# Altium PCB МПСУ.687254.22-01.PcbDoc (part 1 of 2)
Units mm, origin at the board's own origin, x right, y up, seen from the top; angles counter-clockwise.
Board outline 131 x 56 mm, 2 copper layers (Top Layer, Bottom Layer), stack 1.036 mm thick; 215 components, 148 nets, 684 pads, 399 vias.
Unrouted connection lines stored in the file: 4.
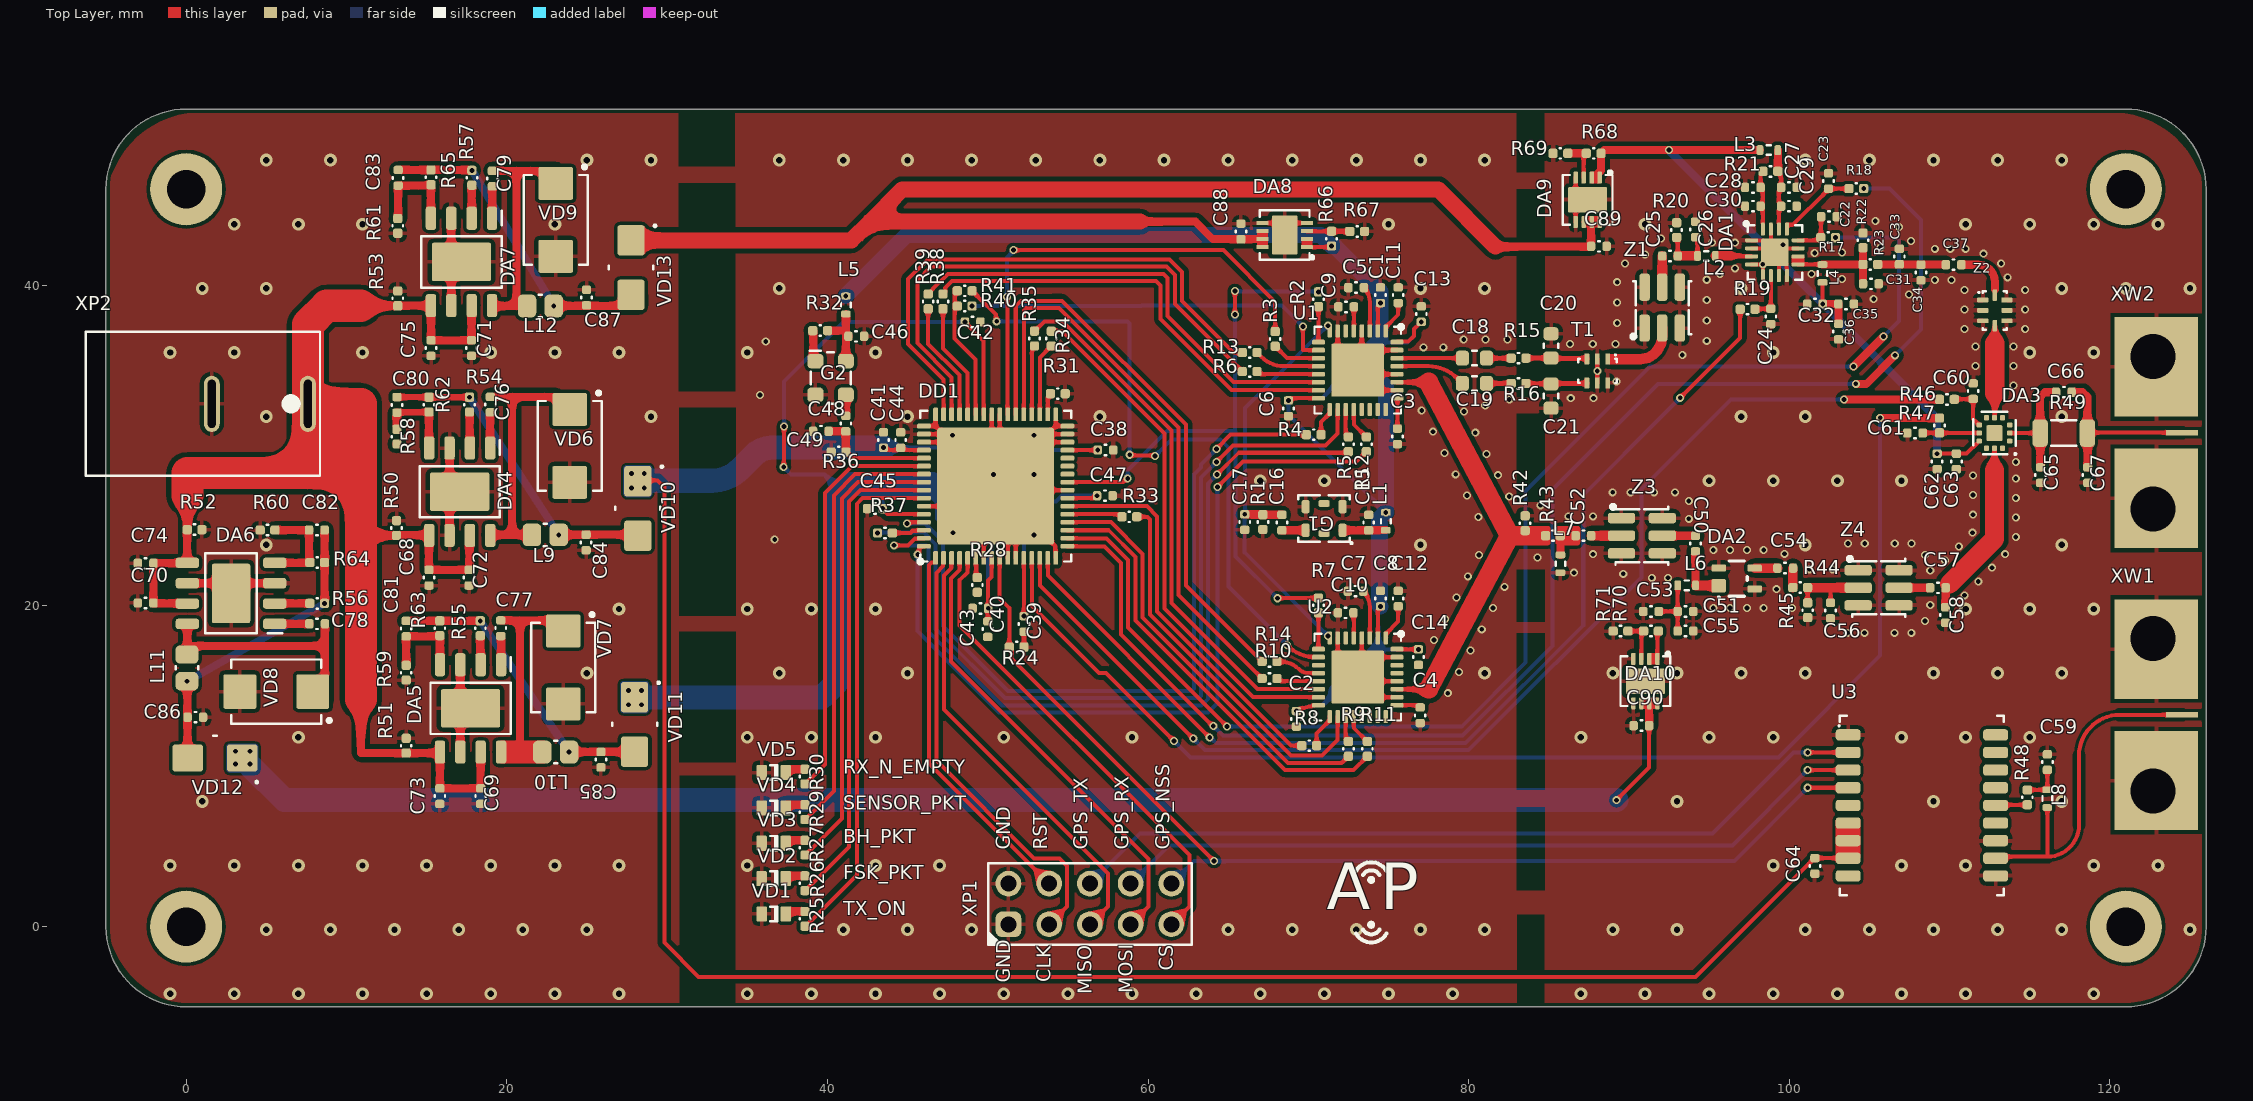
[diagram p0: Top Layer view]
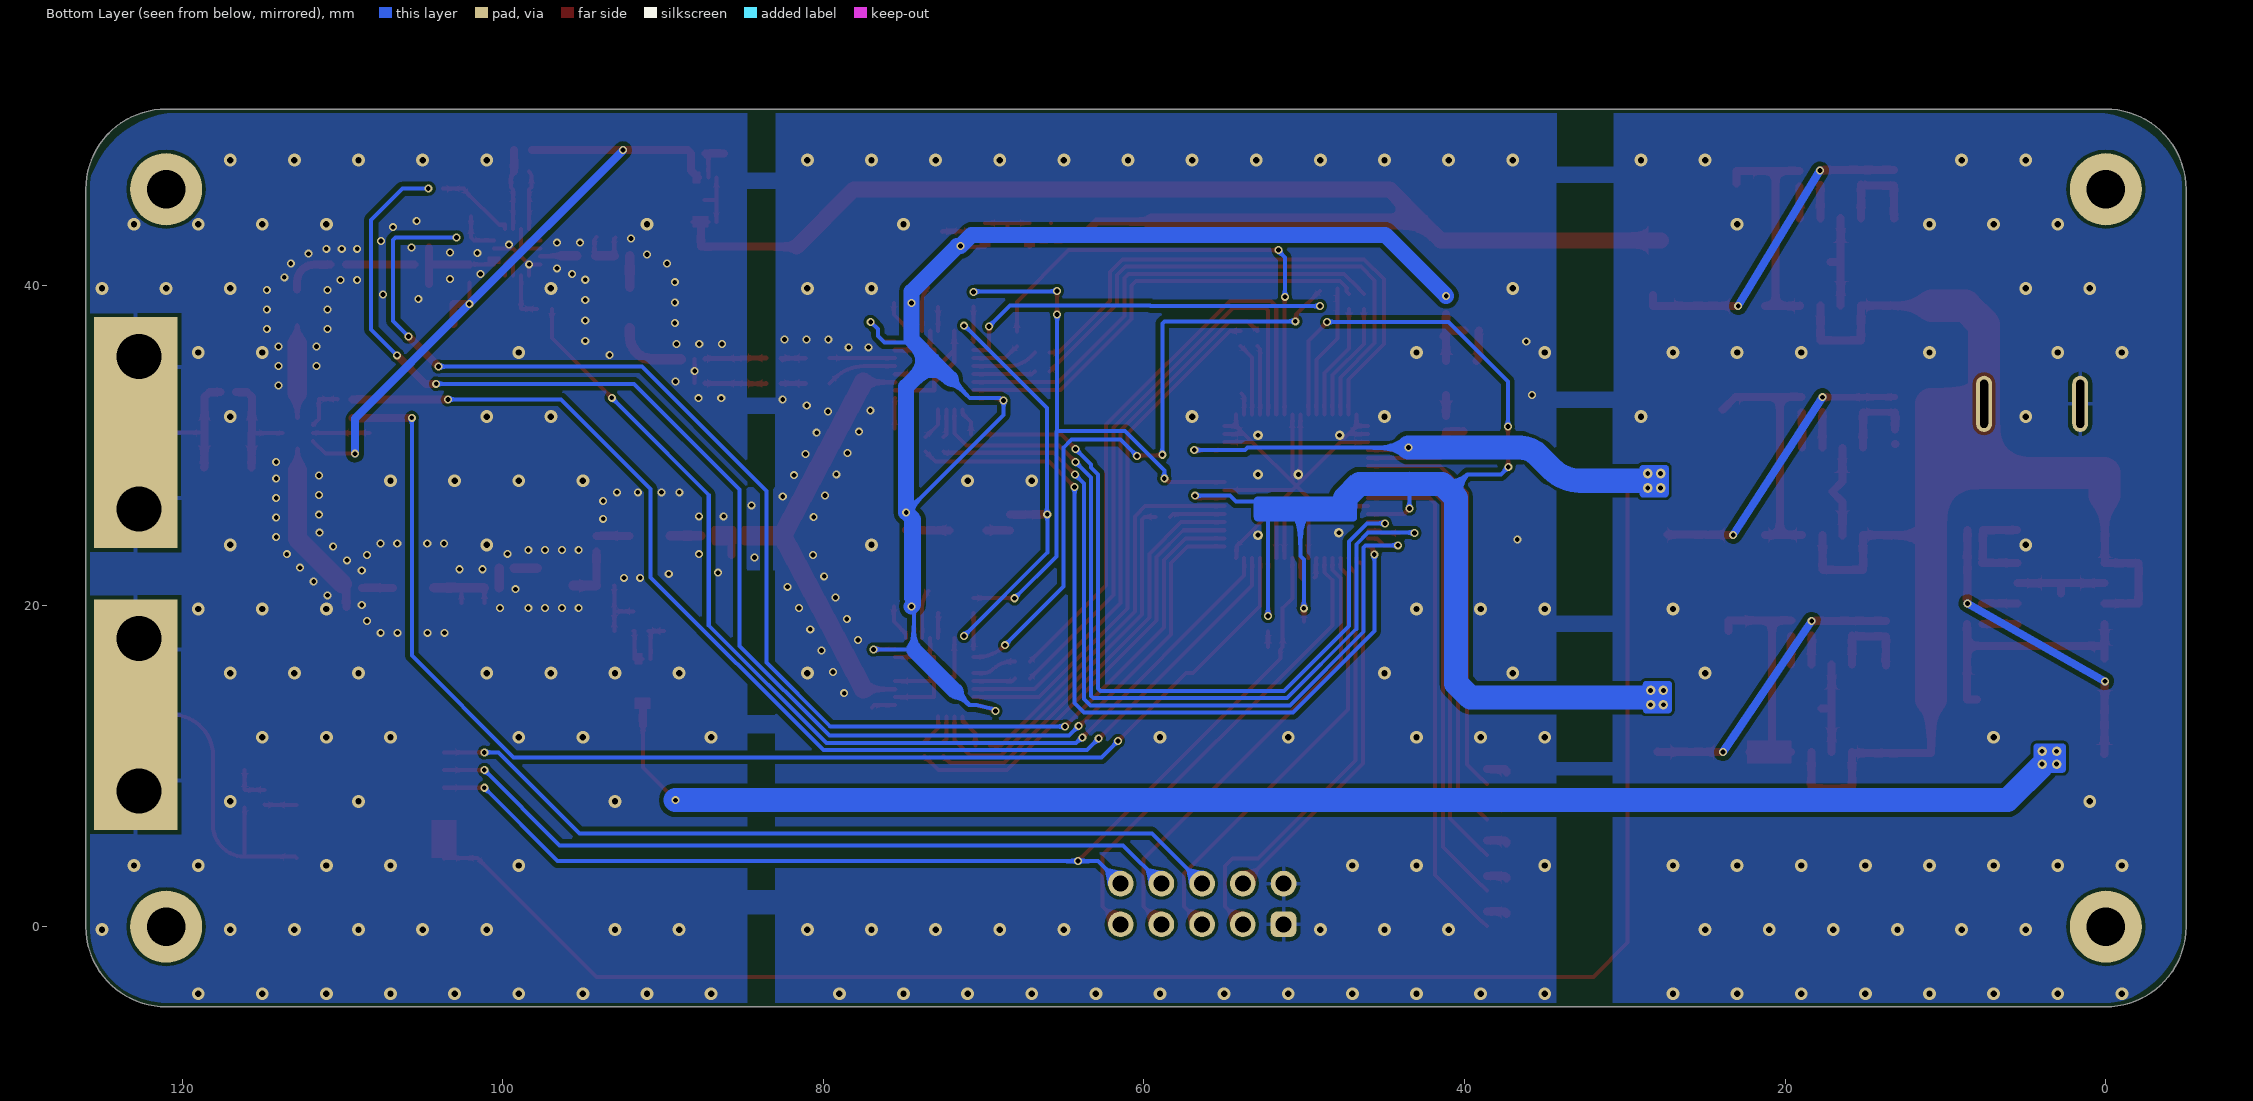
[diagram p1: Bottom Layer view, seen from below]
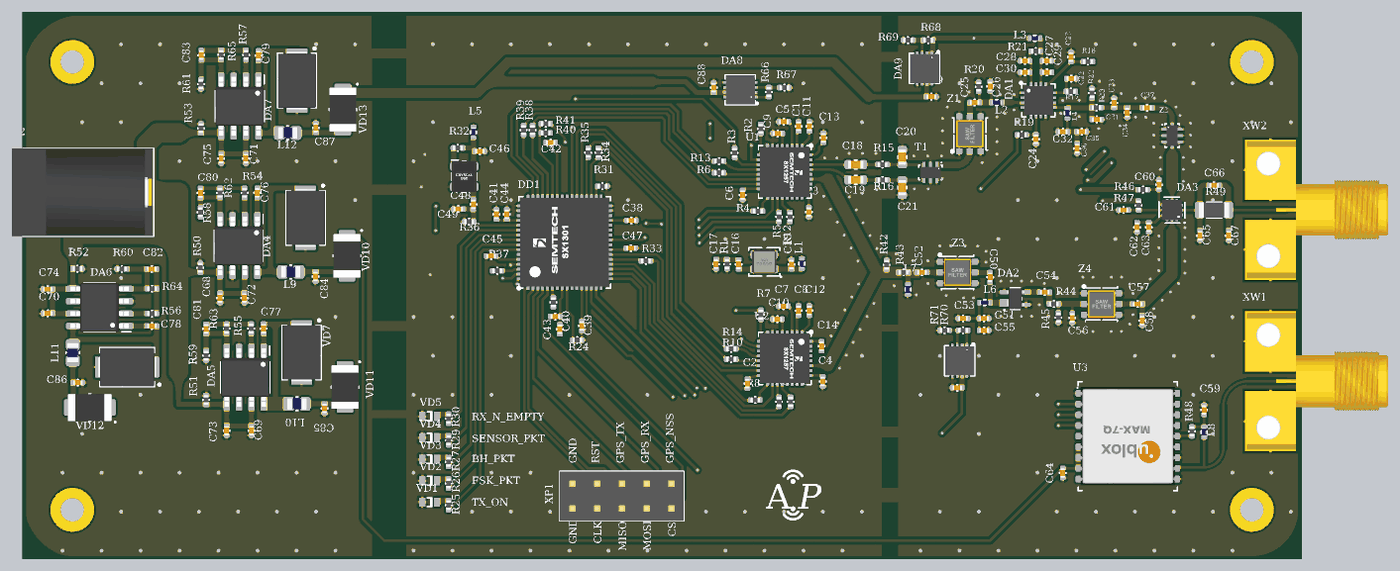
[diagram p3: 3D render of the assembled board from above, using the file's embedded part models]

## Layer stack, top to bottom
Top Solder: solder mask 0.0102, Solder Resist, Dk 3.5
Top Layer: signal copper 0.018
FR4-diel: core 1, FR4, Dk 4.6
Bottom Layer: signal copper 0.018
Bottom Solder: solder mask 0.0102, Solder Resist, Dk 3.5

## Board outline
-5,0 -5,46 cw(c0,46) 0,51 121,51 cw(c121,46) 126,46 126,0 cw(c121,0) 121,-5 0,-5 cw(c0,0)

## Design rules (kind name [scope] priority, off if disabled: settings)
BoardOutlineClearance SolderMask [OnSolderMask] p1: gap=0 ignorepadtopadclearanceinfootprint=FALSE except(0.25: Arc-CavityEdge Arc-SplitContinuation Track-CavityEdge Track-SplitContinuation SMDPad-CavityEdge SMDPad-SplitContinuation THPad-CavityEdge THPad-SplitContinuation Via-CavityEdge Via-SplitContinuation Fill-CavityEdge Fill-SplitContinuation Poly-CavityEdge Poly-SplitContinuation Region-CavityEdge Region-SplitContinuation Text-CavityEdge Text-SplitContinuation)
BoardOutlineClearance [All] p2: gap=0.25 ignorepadtopadclearanceinfootprint=FALSE
Clearance [All] p1: gap=0.2 ignorepadtopadclearanceinfootprint=FALSE except(0.3: Track-Poly)
Clearance Clearance_RF [InNet('GND') vs InNetClass('RF')] p2: gap=0.3 ignorepadtopadclearanceinfootprint=FALSE
ComponentClearance [All] p1 off: gap=0.25 collisioncheckmode=3 verticalgap=0.25 showdistances=FALSE
DiffPairsRouting [All] p1: maxlimit=0.25 minlimit=0.25 mostfreqgap=0.25 toplayer_minwidth=0.2 toplayer_maxwidth=1 toplayer_prefwidth=0.4 bottomlayer_minwidth=0.2 bottomlayer_maxwidth=1 bottomlayer_prefwidth=0.4 maxuncoupledlength=10
HoleSize [All] p1: absolutevalues=TRUE maxlimit=8 minlimit=0.3 maxpercent=80.000 minpercent=20.000
HoleToHoleClearance [All] p1: gap=0.3 allowstackedmicrovias=TRUE
MinimumSolderMaskSliver [All] p1: minsoldermaskwidth=0.15
PlaneClearance [All] p1: clearance=0.3
PlaneConnect [All] p1: planeconnectstyle=Relief reliefexpansion=0.5 reliefentries=4 reliefconductorwidth=0.25 reliefairgap=0.3
PolygonConnect [All] p1: thpad.connectstyle=Relief thpad.reliefconductorwidth=0.25 thpad.reliefentries=4 thpad.polygonreliefangle="90 Angle" thpad.airgapwidth=0.25 smdpad.connectstyle=Relief smdpad.reliefconductorwidth=0.25 smdpad.reliefentries=4 smdpad.polygonreliefangle="90 Angle" smdpad.airgapwidth=0.25 via.connectstyle=Direct via.reliefconductorwidth=0.25 via.reliefentries=4 via.polygonreliefangle="90 Angle" via.airgapwidth=0.25
ReturnPath [All] p1: impedanceprofileid={2CF304FD-49DA-4276-8468-CD12DB598121} _gaplimit=0.5
RoutingCorners [All] p1: cornerstyle=Round minsetback=2.5 maxsetback=2.5
RoutingVias [All] p1: holewidth=0.3 width=0.5 viastyle="Through Hole" minholewidth=0.3 minwidth=0.5 maxholewidth=1 maxwidth=1.5
SilkToSilkClearance [All] p1: silktosilkclearance=0.05
SilkToSolderMaskClearance [IsPad] p1: minsilkscreentomaskgap=0.05 clearancetoexposedcopper=TRUE
SolderMaskExpansion [All] p1: expansion=0.05 istentingtop=FALSE
UnRoutedNet [All] p1: checkbadconnections=TRUE
Width [All] p1: maxlimit=3 minlimit=0.25 preferedwidth=0.3 minimp=50.000000 maximp=50.000000 favimp=50.000000
19 further rules are at their usual default settings.

## Classes and differential pairs
net class RF: BPF_IN_2 NetC18_1 NetC19_1 NetC25_1 NetC31_1 NetC52_1 NetC56_2 NetC66_1 RF_IN RF_OUT RFSW_OUT
component class "МПСУ.464421.22-01 Switch,GPS, IO Connectors": C59 C60 C61 C62 C63 C64 C65 C66 C67 DA3 L8 R46 R47 R48 R49 U3 XP1 XW1 XW2
component class "МПСУ.464421.22-01 RF Interface": C1 C2 C3 C4 C5 C6 C7 C8 C9 C10 C11 C12 C13 C14 C15 C16 C17 C18 C19 C20 C21 G1 L1 R1 R2 R3 R4 R5 R6 R7 R8 R9 R10 R11 R12 R13 R14 R15 R16 T1 U1 U2
component class "МПСУ.464421.22-01 RF_OUT": C22 C23 C24 C25 C26 C27 C28 C29 C30 C31 C32 C33 C34 C35 C36 C37 DA1 L2 L3 L4 R17 R18 R19 R20 R21 R22 R23 Z1 Z2
component class "МПСУ.464421.22-01 RF_IN": C50 C51 C52 C53 C54 C55 C56 C57 C58 DA2 L6 L7 R42 R43 R44 R45 Z3 Z4
component class "МПСУ.464421.22-01 Power": C68 C69 C70 C71 C72 C73 C74 C75 C76 C77 C78 C79 C80 C81 C82 C83 C84 C85 C86 C87 C88 C89 C90 DA4 DA5 DA6 DA7 DA8 DA9 DA10 L9 L10 L11 L12 L14 L15 L16 L17 L18 L? R50 R51 R52 R53 R54 R55 R56 R57 R58 R59 R60 R61 R62 R63 R64 R65 R66 R67 R68 R69 R70 R71 VD6 VD7 VD8 VD9 VD10 VD11 VD12 VD13 XP2
component class "МПСУ.464421.22-01 BBP": C38 C39 C40 C41 C42 C43 C44 C45 C46 C47 C48 C49 DD1 G2 L5 R24 R25 R26 R27 R28 R29 R30 R31 R32 R33 R34 R35 R36 R37 R38 R39 R40 R41 VD1 VD2 VD3 VD4 VD5

## Components (designator, comment, footprint, x,y, rotation, side; value= is the part's Value field where it differs from the comment)
C1 "1 мкФ ± 10 % 16 В X5R 0402 GRM155R61C105KA12D" CAPC100X50X55L20N 74.5,39.384 r270 top value="1 мкФ"
C2 "1 мкФ ± 10 % 16 В X5R 0402 GRM155R61C105KA12D" CAPC100X50X55L20N 69.257,12.962 r90 top value="1 мкФ"
C3 "1 мкФ ± 10 % 16 В X5R 0402 GRM155R61C105KA12D" CAPC100X50X55L20N 75.56,30.584 r270 top value="1 мкФ"
C4 "1 мкФ ± 10 % 16 В X5R 0402 GRM155R61C105KA12D" CAPC100X50X55L20N 76.982,13.184 r270 top value="1 мкФ"
C5 "1 мкФ ± 10 % 16 В X5R 0402 GRM155R61C105KA12D" CAPC100X50X55L20N 72.985,39.859 r180 top value="1 мкФ"
C6 "1 мкФ ± 10 % 16 В X5R 0402 GRM155R61C105KA12D" CAPC100X50X55L20N 68.76,32.334 r90 top value="1 мкФ"
C7 "1 мкФ ± 10 % 16 В X5R 0402 GRM155R61C105KA12D" CAPC100X50X55L20N 72.947,20.922 r180 top value="1 мкФ"
C8 "1 мкФ ± 10 % 16 В X5R 0402 GRM155R61C105KA12D" CAPC100X50X55L20N 74.5,20.462 r270 top value="1 мкФ"
C9 "1 мкФ ± 10 % 16 В X5R 0402 GRM155R61C105KA12D" CAPC100X50X55L20N 72.36,38.659 r180 top value="1 мкФ"
C10 "1 мкФ ± 10 % 16 В X5R 0402 GRM155R61C105KA12D" CAPC100X50X55L20N 72.332,19.577 r180 top value="1 мкФ"
C11 "1 мкФ ± 10 % 16 В X5R 0402 GRM155R61C105KA12D" CAPC100X50X55L20N 75.61,39.384 r90 top value="1 мкФ"
C12 "1 мкФ ± 10 % 16 В X5R 0402 GRM155R61C105KA12D" CAPC100X50X55L20N 75.607,20.462 r90 top value="1 мкФ"
C13 "1 мкФ ± 10 % 16 В X5R 0402 GRM155R61C105KA12D" CAPC100X50X55L20N 77.049,38.205 r270 top value="1 мкФ"
C14 "1 мкФ ± 10 % 16 В X5R 0402 GRM155R61C105KA12D" CAPC100X50X55L20N 76.867,16.807 r90 top value="1 мкФ"
C15 "0,1 мкФ ± 10 % 50 В X7R 0402 GRM155R71H104KE14J" CAPC100X50X55L20N 73.768,25.205 r90 top value="0,1 мкФ"
C16 "100 пФ ± 5 % 50 В C0G 0402 GRM1555C1H101JZ01D" CAPC100X50X55L20N 68.35,25.207 r90 top value="100 пФ"
C17 "DNP 0402" CAPC100X50X55L20N 66.035,25.234 r270 top value=DNP
C18 "100 пФ ± 1 % 100 В C0G 0603 GRM1885C2A101FA01D" CAPC160X80X90L30N 80.365,35.459 r0 top value="100 пФ"
C19 "100 пФ ± 1 % 100 В C0G 0603 GRM1885C2A101FA01D" CAPC160X80X90L30N 80.365,33.884 r0 top value="100 пФ"
C20 "3,9 пФ ± 0,25 пФ 50 В C0G 0603 GRM1885C1H3R9CZ01D" CAPC160X80X90L30N 85.14,36.227 r270 top value="3,9 пФ"
C21 "3,9 пФ ± 0,25 пФ 50 В C0G 0603 GRM1885C1H3R9CZ01D" CAPC160X80X90L30N 85.14,33.097 r270 top value="3,9 пФ"
C22 "100 пФ ± 5 % 50 В C0G 0402 GRM1555C1H101JZ01D" CAPC100X50X55L20N 102.475,44.287 r180 top value="100 пФ"
C23 "100 пФ ± 5 % 50 В C0G 0402 GRM1555C1H101JZ01D" CAPC100X50X55L20N 102.45,46.512 r270 top value="100 пФ"
C24 "100 пФ ± 5 % 50 В C0G 0402 GRM1555C1H101JZ01D" CAPC100X50X55L20N 98.85,38.062 r90 top value="100 пФ"
C25 "100 пФ ± 5 % 50 В C0G 0402 GRM1555C1H101JZ01D" CAPC100X50X55L20N 92.56,41.837 r0 top value="100 пФ"
C26 "TBD 0402" CAPC100X50X55L20N 94.15,43.487 r90 top value=TBD
C27 "100 пФ ± 5 % 50 В C0G 0402 GRM1555C1H101JZ01D" CAPC100X50X55L20N 99.975,46.112 r180 top value="100 пФ"
C28 "100 пФ ± 5 % 50 В C0G 0402 GRM1555C1H101JZ01D" CAPC100X50X55L20N 97.725,46.112 r0 top value="100 пФ"
C29 "1 мкФ ± 10 % 16 В X5R 0402 GRM155R61C105KA12D" CAPC100X50X55L20N 99.975,44.937 r180 top value="1 мкФ"
C30 "1 мкФ ± 10 % 16 В X5R 0402 GRM155R61C105KA12D" CAPC100X50X55L20N 97.725,44.937 r0 top value="1 мкФ"
C31 "DNP 0402" CAPC100X50X55L20N 105.089,40.098 r0 top value=DNP
C32 "100 пФ ± 5 % 50 В C0G 0402 GRM1555C1H101JZ01D" CAPC100X50X55L20N 101.6,38.837 r180 top value="100 пФ"
C33 "TBD 0402" CAPC100X50X55L20N 106.867,41.8 r90 top value=TBD
C34 "TBD 0402" CAPC100X50X55L20N 108.213,40.797 r270 top value=TBD
C35 "100 пФ ± 5 % 50 В C0G 0402 GRM1555C1H101JZ01D" CAPC100X50X55L20N 103.55,38.837 r0 top value="100 пФ"
C36 "DNP 0402" CAPC100X50X55L20N 103.075,37.112 r270 top value=DNP
C37 "100 пФ ± 5 % 50 В C0G 0402 GRM1555C1H101JZ01D" CAPC100X50X55L20N 110.25,41.287 r0 top value="100 пФ"
C38 "0,1 мкФ ± 10 % 50 В X7R 0402 GRM155R71H104KE14J" CAPC100X50X55L20N 57.35,29.725 r0 top value="0,1 мкФ"
C39 "0,1 мкФ ± 10 % 50 В X7R 0402 GRM155R71H104KE14J" CAPC100X50X55L20N 52.265,18.882 r270 top value="0,1 мкФ"
C40 "0,1 мкФ ± 10 % 50 В X7R 0402 GRM155R71H104KE14J" CAPC100X50X55L20N 49.546,19.853 r180 top value="0,1 мкФ"
C41 "0,1 мкФ ± 10 % 50 В X7R 0402 GRM155R71H104KE14J" CAPC100X50X55L20N 43.5,30.35 r90 top value="0,1 мкФ"
C42 "0,1 мкФ ± 10 % 50 В X7R 0402 GRM155R71H104KE14J" CAPC100X50X55L20N 49.066,37.719 r0 top value="0,1 мкФ"
C43 "1 мкФ ± 10 % 16 В X5R 0402 GRM155R61C105KA12D" CAPC100X50X55L20N 50.006,18.551 r270 top value="1 мкФ"
C44 "1 мкФ ± 10 % 16 В X5R 0402 GRM155R61C105KA12D" CAPC100X50X55L20N 44.575,30.35 r90 top value="1 мкФ"
C45 "0,1 мкФ ± 10 % 50 В X7R 0402 GRM155R71H104KE14J" CAPC100X50X55L20N 42.961,26.075 r180 top value="0,1 мкФ"
C46 "0,1 мкФ ± 10 % 50 В X7R 0402 GRM155R71H104KE14J" CAPC100X50X55L20N 41.8,36.825 r0 top value="0,1 мкФ"
C47 "0,1 мкФ ± 10 % 50 В X7R 0402 GRM155R71H104KE14J" CAPC100X50X55L20N 57.306,26.882 r0 top value="0,1 мкФ"
C48 "100 пФ ± 5 % 50 В C0G 0402 GRM1555C1H101JZ01D" CAPC100X50X55L20N 41.15,31.375 r270 top value="100 пФ"
C49 "DNP 0402" CAPC100X50X55L20N 39.59,30.9 r180 top value=DNP
C50 "100 пФ ± 5 % 50 В C0G 0402 GRM1555C1H101JZ01D" CAPC100X50X55L20N 94.15,23.892 r270 top value="100 пФ"
C51 "100 пФ ± 5 % 50 В C0G 0402 GRM1555C1H101JZ01D" CAPC100X50X55L20N 93.525,19.662 r0 top value="100 пФ"
C52 "100 пФ ± 5 % 50 В C0G 0402 GRM1555C1H101JZ01D" CAPC100X50X55L20N 87.16,24.384 r0 top value="100 пФ"
C53 "100 пФ ± 5 % 50 В C0G 0402 GRM1555C1H101JZ01D" CAPC100X50X55L20N 91.375,19.662 r180 top value="100 пФ"
C54 "100 пФ ± 5 % 50 В C0G 0402 GRM1555C1H101JZ01D" CAPC100X50X55L20N 99.75,22.362 r0 top value="100 пФ"
C55 "100 пФ ± 5 % 50 В C0G 0402 GRM1555C1H101JZ01D" CAPC100X50X55L20N 93.525,18.437 r0 top value="100 пФ"
C56 "0,7 пФ ± 0,05 пФ 50 В C0G 0402 GRM1555C1HR70WA01D" CAPC100X50X55L20N 102.575,19.712 r90 top value="0,7 пФ"
C57 "100 пФ ± 5 % 50 В C0G 0402 GRM1555C1H101JZ01D" CAPC100X50X55L20N 109.27,21.137 r0 top value="100 пФ"
C58 "TBD 0402" CAPC100X50X55L20N 109.75,19.437 r270 top value=TBD
C59 "100 мкФ ± 20 % 10 В JB 0402 C3216JB1A107M160AC" CAPC100X50X55L20N 116.1,10.262 r90 top value="100 мкФ"
C60 "100 пФ ± 5 % 50 В C0G 0402 GRM1555C1H101JZ01D" CAPC100X50X55L20N 111.475,33.397 r270 top value="100 пФ"
C61 "100 пФ ± 5 % 50 В C0G 0402 GRM1555C1H101JZ01D" CAPC100X50X55L20N 107.84,30.787 r0 top value="100 пФ"
C62 "0,1 мкФ ± 10 % 50 В X7R 0402 GRM155R71H104KE14J" CAPC100X50X55L20N 109.225,29.017 r90 top value="0,1 мкФ"
C63 "100 пФ ± 5 % 50 В C0G 0402 GRM1555C1H101JZ01D" CAPC100X50X55L20N 110.425,29.017 r90 top value="100 пФ"
C64 "100 мкФ ± 20 % 10 В JB 0402 C3216JB1A107M160AC" CAPC100X50X55L20N 101.6,3.787 r270 top value="100 мкФ"
C65 "TBD 0402" CAPC100X50X55L20N 115.675,28.162 r90 top value=TBD
C66 "TBD 0402" CAPC100X50X55L20N 117.125,33.337 r180 top value=TBD
C67 "TBD 0402" CAPC100X50X55L20N 118.625,28.162 r90 top value=TBD
C68 "10 мкФ ± 10 % 25 В X5R 0402 GRM188R61E106KA73J" CAPC100X50X55L20N 15.15,21.762 r270 top value="10 мкФ"
C69 "10 мкФ ± 10 % 25 В X5R 0402 GRM188R61E106KA73J" CAPC100X50X55L20N 18.375,8.137 r270 top value="10 мкФ"
C70 "10 мкФ ± 10 % 25 В X5R 0402 GRM188R61E106KA73J" CAPC100X50X55L20N -2.525,20.187 r180 top value="10 мкФ"
C71 "10 мкФ ± 10 % 25 В X5R 0402 GRM188R61E106KA73J" CAPC100X50X55L20N 17.8,36.087 r270 top value="10 мкФ"
C72 "0,1 мкФ ± 10 % 50 В X7R 0402 GRM155R71H104KE14J" CAPC100X50X55L20N 17.65,21.762 r270 top value="0,1 мкФ"
C73 "0,1 мкФ ± 10 % 50 В X7R 0402 GRM155R71H104KE14J" CAPC100X50X55L20N 15.825,8.137 r270 top value="0,1 мкФ"
C74 "0,1 мкФ ± 10 % 50 В X7R 0402 GRM155R71H104KE14J" CAPC100X50X55L20N -2.525,22.662 r180 top value="0,1 мкФ"
C75 "0,1 мкФ ± 10 % 50 В X7R 0402 GRM155R71H104KE14J" CAPC100X50X55L20N 15.275,36.087 r270 top value="0,1 мкФ"
C76 "0,1 мкФ ± 10 % 50 В X7R 0402 GRM155R71H104KE14J" CAPC100X50X55L20N 18.975,32.562 r90 top value="0,1 мкФ"
C77 "0,1 мкФ ± 10 % 50 В X7R 0402 GRM155R71H104KE14J" CAPC100X50X55L20N 19.625,18.612 r90 top value="0,1 мкФ"
C78 "0,1 мкФ ± 10 % 50 В X7R 0402 GRM155R71H104KE14J" CAPC100X50X55L20N 8.175,18.887 r0 top value="0,1 мкФ"
C79 "0,1 мкФ ± 10 % 50 В X7R 0402 GRM155R71H104KE14J" CAPC100X50X55L20N 19.1,46.662 r90 top value="0,1 мкФ"
C80 "0,1 мкФ ± 10 % 50 В X7R 0402 GRM155R71H104KE14J" CAPC100X50X55L20N 13.15,32.547 r270 top value="0,1 мкФ"
C81 "0,1 мкФ ± 10 % 50 В X7R 0402 GRM155R71H104KE14J" CAPC100X50X55L20N 13.725,18.587 r270 top value="0,1 мкФ"
C82 "0,1 мкФ ± 10 % 50 В X7R 0402 GRM155R71H104KE14J" CAPC100X50X55L20N 8.15,24.737 r180 top value="0,1 мкФ"
C83 "0,1 мкФ ± 10 % 50 В X7R 0402 GRM155R71H104KE14J" CAPC100X50X55L20N 13.225,46.712 r270 top value="0,1 мкФ"
C84 "100 мкФ ± 20 % 10 В JB 0402 C3216JB1A107M160AC" CAPC100X50X55L20N 24.95,23.962 r270 top value="100 мкФ"
C85 "100 мкФ ± 20 % 10 В JB 0402 C3216JB1A107M160AC" CAPC100X50X55L20N 25.875,10.412 r270 top value="100 мкФ"
C86 "100 мкФ ± 20 % 10 В JB 0402 C3216JB1A107M160AC" CAPC100X50X55L20N 0.57,13.062 r0 top value="100 мкФ"
C87 "100 мкФ ± 20 % 10 В JB 0402 C3216JB1A107M160AC" CAPC100X50X55L20N 24.975,39.237 r90 top value="100 мкФ"
C88 "100 мкФ ± 20 % 10 В JB 0402 C3216JB1A107M160AC" CAPC100X50X55L20N 65.8,43.365 r90 top value="100 мкФ"
C89 "100 мкФ ± 20 % 10 В JB 0402 C3216JB1A107M160AC" CAPC100X50X55L20N 88.12,42.437 r0 top value="100 мкФ"
C90 "100 мкФ ± 20 % 10 В JB 0402 C3216JB1A107M160AC" CAPC100X50X55L20N 90.775,12.537 r180 top value="100 мкФ"
DA1 "RFPA0133TR7" QFN50P300X300X90_HS-17N 99.1,42.062 r0 top
DA2 "SPF5043Z" SOT130P210X100-4N 96.725,21.712 r180 top
DA3 "RFSW1012" PQFN50P200X200X60_HS-13N 112.8,30.787 r180 top
DA4 "ST1S14PH" SOP127P600X175_HS-9N 17.066,27.129 r270 top
DA5 "ST1S14PH" SOP127P600X175_HS-9N 17.74,13.612 r270 top
DA6 "ST1S14PH" SOP127P600X175_HS-9N 2.8,20.787 r180 top
DA7 "ST1S14PH" SOP127P600X175_HS-9N 17.175,41.462 r270 top
DA8 "LT1965EDD" SON9P50_300X300X80L40X25T244X160N 68.525,43.14 r90 top
DA9 "LT1965EDD" SON9P50_300X300X80L40X25T244X160N 87.425,45.337 r180 top
DA10 "LT1965EDD" SON9P50_300X300X80L40X25T244X160N 91.025,15.312 r180 top
DD1 "SX1301IMLTRC" SX1301IMLTRC 50.5,27.475 r90 top
G1 "KT2520K.32000.A.C.W.33.T.AS" KT2520K 70.985,25.459 r180 top
G2 "DSC1001CI2-133.0000" DSC1001CI2 40.2,34.225 r0 top
L1 "100 нГн ± 5 % 200 мА 0402 LQG15HNR10J02D" INDC100X50X60L10N 74.835,25.284 r270 top value="100 нГн"
L2 "TBD 0402" INDC100X50X60L10N 94.833,41.84 r0 top value=TBD
L3 "100 нГн ± 5 % 200 мА 0402 LQG15HNR10J02D" INDC100X50X60L10N 98.73,48.437 r0 top value="100 нГн"
L4 "100 нГн ± 5 % 200 мА 0402 LQG15HNR10J02D" INDC100X50X60L10N 102.075,40.742 r90 top value="100 нГн"
L5 "100 нГн ± 5 % 200 мА 0402 LQG15HNR10J02D" INDC100X50X60L10N 41.15,38.775 r270 top value="100 нГн"
L6 "100 нГн ± 5 % 200 мА 0402 LQG15HNR10J02D" INDC100X50X60L10N 93.6,21.287 r0 top value="100 нГн"
L7 "82 нГн ± 5 % 200 mA 0402 LQG15HN82NJ02D" INDC100X50X60L10N 85.725,22.631 r270 top value="82 нГн"
L8 "270 нГн ± 5 % 110 мА 0402 LQG15HSR27J02D" INDC100X50X60L10N 116.1,7.987 r270 top value="270 нГн"
L9 "4,7 мкГн ± 30 % 800 мА 0805 LQM21PZ4R7NGRD" INDC200X120X110L50N 22.41,24.437 r0 top value="4,7 мкГн"
L10 "4,7 мкГн ± 30 % 800 мА 0805 LQM21PZ4R7NGRD" INDC200X120X110L50N 23.05,10.887 r0 top value="4,7 мкГн"
L11 "4,7 мкГн ± 30 % 800 мА 0805 LQM21PZ4R7NGRD" INDC200X120X110L50N 0.05,16.137 r270 top value="4,7 мкГн"
L12 "4,7 мкГн ± 30 % 800 мА 0805 LQM21PZ4R7NGRD" INDC200X120X110L50N 22.1,38.712 r0 top value="4,7 мкГн"
R1 "DNP 0402" RESC100X50X40L25N 67.164,25.234 r270 top value=DNP
R2 "110 Ом ± 5 % 0 Вт 0402 RC-02U111JT" RESC100X50X40L25N 70.635,39.134 r270 top value="110 Ом"
R3 "110 Ом ± 5 % 0 Вт 0402 RC-02U111JT" RESC100X50X40L25N 67.935,36.659 r270 top value="110 Ом"
R4 "110 Ом ± 5 % 0 Вт 0402 RC-02U111JT" RESC100X50X40L25N 70.335,30.684 r0 top value="110 Ом"
R5 "110 Ом ± 5 % 0 Вт 0402 RC-02U111JT" RESC100X50X40L25N 72.5,30.084 r90 top value="110 Ом"
R6 "110 Ом ± 5 % 0 Вт 0402 RC-02U111JT" RESC100X50X40L25N 66.345,34.624 r0 top value="110 Ом"
R7 "110 Ом ± 5 % 0 Вт 0402 RC-02U111JT" RESC100X50X40L25N 70.632,20.037 r270 top value="110 Ом"
R8 "110 Ом ± 5 % 0 Вт 0402 RC-02U111JT" RESC100X50X40L25N 70.057,11.287 r0 top value="110 Ом"
R9 "110 Ом ± 5 % 0 Вт 0402 RC-02U111JT" RESC100X50X40L25N 72.5,11.087 r90 top value="110 Ом"
R10 "110 Ом ± 5 % 0 Вт 0402 RC-02U111JT" RESC100X50X40L25N 67.582,15.474 r0 top value="110 Ом"
R11 "110 Ом ± 5 % 0 Вт 0402 RC-02U111JT" RESC100X50X40L25N 73.682,11.087 r90 top value="110 Ом"
R12 "110 Ом ± 5 % 0 Вт 0402 RC-02U111JT" RESC100X50X40L25N 73.62,30.084 r90 top value="110 Ом"
R13 "110 Ом ± 5 % 0 Вт 0402 RC-02U111JT" RESC100X50X40L25N 66.345,35.809 r0 top value="110 Ом"
R14 "110 Ом ± 5 % 0 Вт 0402 RC-02U111JT" RESC100X50X40L25N 67.582,16.537 r0 top value="110 Ом"
R15 "22 Ом ± 1 % 0 Вт 0402 RC0402FR-0722RL" RESC100X50X40L25N 83.115,35.459 r0 top value="22 Ом"